# Altium PCB Pleiades_Frouf.PcbDoc (part 1 of 12) (continued)
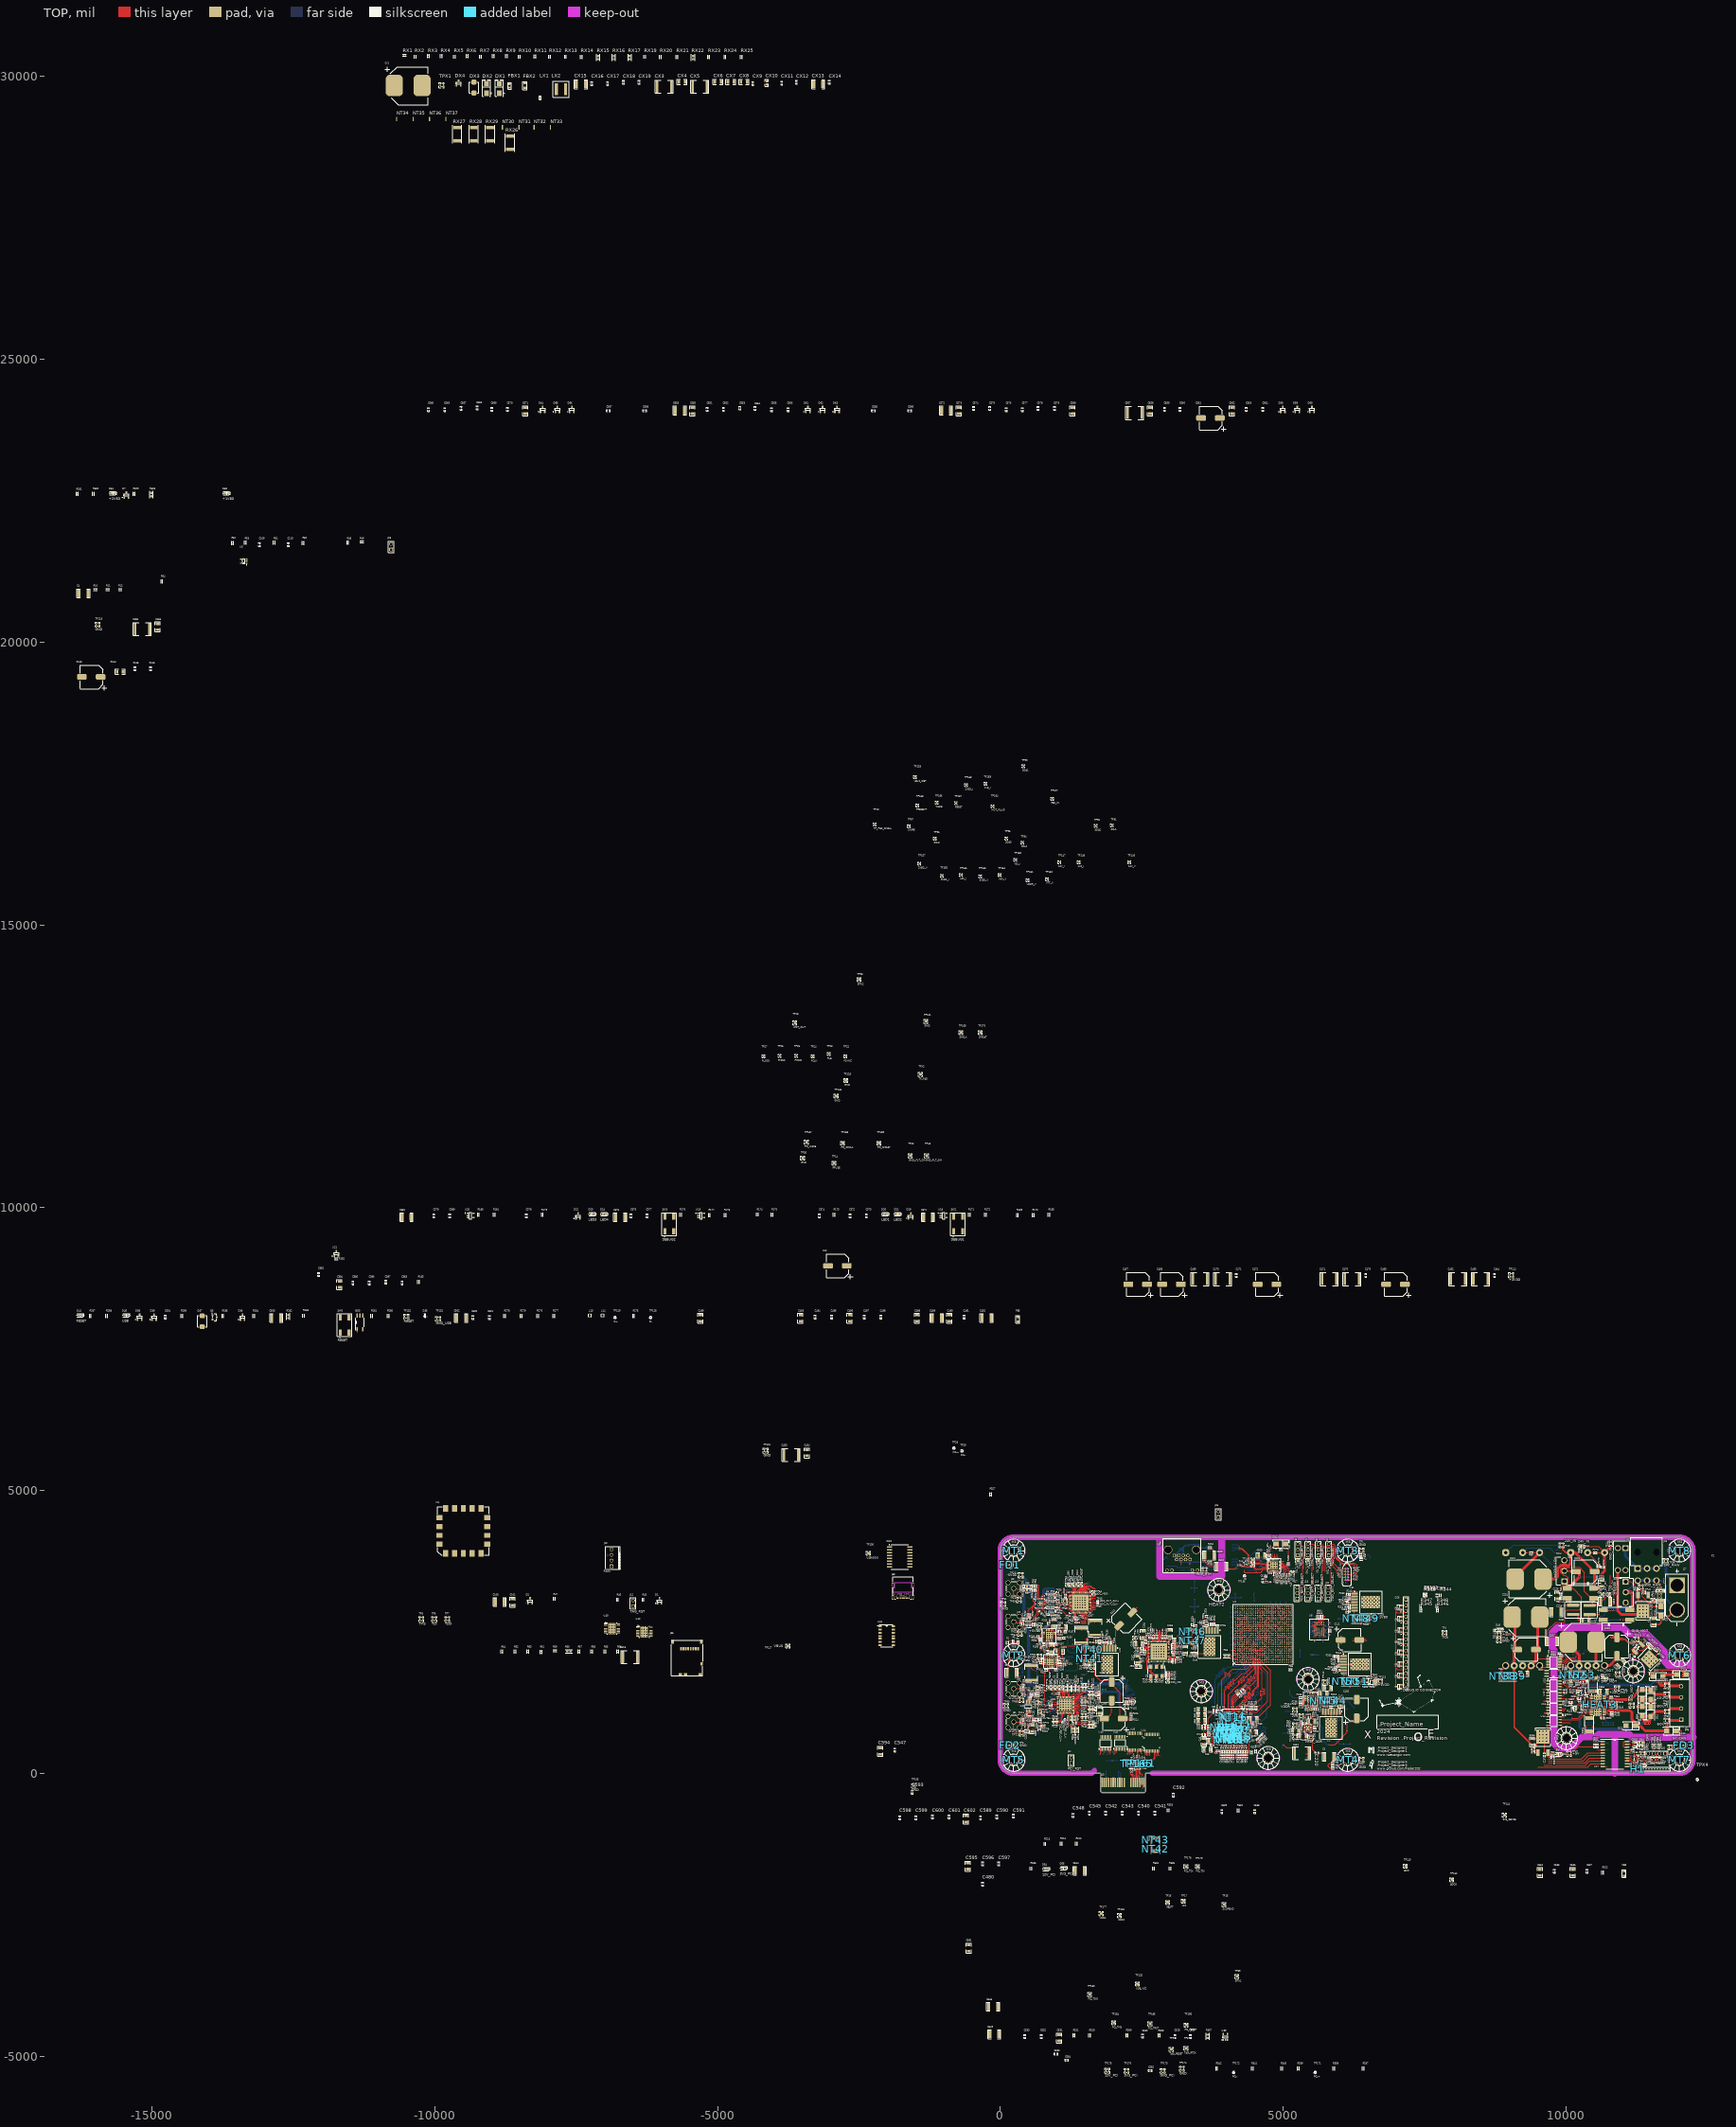
[diagram p0: TOP view]
## Classes and differential pairs
net class PROM_COMM: \CE \CEO \CF BUSY CLK CLKOUT OE/RESET PROM_D0 PROM_D1 PROM_D2 PROM_D3 PROM_D4 PROM_D5 PROM_D6 PROM_D7
net class +6V_SHUNT_KELVIN: +6V_SHUNT_17_+
net class +24V_MOT_SHUNT_KELVIN: +24V_MOT_SHUNT_22_+ +24V_MOT_SHUNT_22_-
net class +12V_SHUNT_KELVIN: +12V_SHUNT_17_+ +12V_SHUNT_17_-
net class +3V3D_SHUNT_KELVIN: +3V3D_SHUNT_17_+ +3V3D_SHUNT_17_-
net class +2V5D_SHUNT_KELVIN: +2V5D_SHUNT_17_+ +2V5D_SHUNT_17_-
net class +1V8D_SHUNT_KELVIN: +1V8D_SHUNT_17_+ +1V8D_SHUNT_17_-
net class +1V2D_SHUNT_KELVIN: +1V2D_SHUNT_17_+ +1V2D_SHUNT_17_-
net class DQL: DQ0 DQ1 DQ2 DQ3 DQ4 DQ5 DQ6 DQ7 LDQS_N LDQS_P
net class DQH: DQ8 DQ9 DQ10 DQ11 DQ12 DQ13 DQ14 DQ15 UDQS_N UDQS_P
component class USB: C488 C489 C490 C491 C492 C493 C494 C495 C496 C497 C498 C499 C500 C501 C502 C503 C504 D35 D36 D37 D38 D39 D40 D41 FB5 ISO2 ISO3 J38 L13 L14 M1 Q5 R275 R276 R277 R278 R279 R280 R281 R282 R283 R284 R285 R286 R287 R288 SW5 TP125 TP126 TP127 TP128 TP129 TP130 TP131 TP132 TP133
net class CAN: CAN_12_H CAN_12_L
net class ADC_DATA: CLK_ADC_OUT_N CLK_ADC_OUT_P DA0_N DA0_P DA2_N DA2_P DA4_N DA4_P DA6_N DA6_P DA8_N DA8_P DA10_N DA10_P DA12_N DA12_P DB0_N DB0_P DB2_N DB2_P DB4_N DB4_P DB6_N DB6_P DB8_N DB8_P DB10_N DB10_P DB12_N DB12_P
net class S50: COL_CONFIG0 CRS_CONFIG1 INTRP MDC MDIO RST_ETH_PHY RXC RXD0 RXD1 RXD2 RXD3 RXDV RXER SMA_IN1_10 SMA_IN2_10 SMA_OUT1_11 SMA_OUT2_11 TXC TXD0 TXD1 TXD2 TXD3 TXEN TXER
net class PCI: HSI0_N HSI0_P HSO0_N HSO0_P PCI_HSI0_16_N PCI_HSI0_16_P PCI_HSO0_16_N PCI_HSO0_16_P PCI_REFCLK_16_N PCI_REFCLK_16_P REFCLK_N REFCLK_P
net class MII: COL_CONFIG0 CRS_CONFIG1 INTRP MDC MDIO RST_ETH_PHY RXC RXD0 RXD1 RXD2 RXD3 RXDV RXER TXC TXD0 TXD1 TXD2 TXD3 TXEN TXER
net class IO[0..7]: IO0 IO1 IO2 IO3 IO4 IO5 IO6 IO7
component class PCI: C538 C539 C540 C541 C542 C543 C544 C545 C546 C547 C548 C549 C550 C551 C552 C553 C554 C555 C556 C557 C558 C559 C560 C561 C562 C563 C564 C565 C566 C567 C568 C569 C570 C571 C572 C573 C574 C575 C576 C577 C578 C579 C580 C581 C582 C583 C584 C585 C586 C587 C588 C589 C590 C591 C592 C593 C594 C595 C596 C597 C598 C599 C600 C601 C602 C603 D52 D53 D54 D55 D56 D57 D58 D59 D60 D61 D62 D63 D64 D65 D66 J40 R332 R333 R334 R335 R336 R337 R338 R339 R340 R341 R342 TP161 TP162 TP163 TP164 TP165 TP166 TP167 TP168 TP169 TP170 TP171 TP172 TP173 TP174 TP175 TP176 TP177 TP178 TP179 TP180 TP181 TP184 TP185 TP186 TP187 TP188 TP189 U43 U44 U45 U46 U47
component class Designator: CX1 CX2 CX3 CX4 CX5 CX6 CX7 CX8 CX9 CX10 CX11 CX12 CX13 CX14 CX15 CX16 CX17 CX18 CX19 DX1 DX2 DX3 DX4 FBX1 FBX2 LX1 LX2 NT30 NT31 NT32 NT33 NT34 NT35 NT36 NT37 RX1 RX2 RX3 RX4 RX5 RX6 RX7 RX8 RX9 RX10 RX11 RX12 RX13 RX14 RX15 RX16 RX17 RX18 RX19 RX20 RX21 RX22 RX23 RX24 RX25 RX26 RX27 RX28 RX29 TPX1 TPX2 TPX3 TPX4
net class USB: DD_14_+ DD_14_- UD_14_+ UD_14_-
net class SD_D[0..3]: SD_D0 SD_D1 SD_D2 SD_D3
net class PROM_D[0..7]: PROM_D0 PROM_D1 PROM_D2 PROM_D3 PROM_D4 PROM_D5 PROM_D6 PROM_D7
net class JTAG: \PCI_TRST PCI_TCK PCI_TDI PCI_TDO PCI_TMS TCK_USB TDI_USB TDO_USB TMS_USB
net class ETHERNET: RD_15_+ RD_15_- RX_15_+ RX_15_- TD_15_+ TD_15_- TX_15_+ TX_15_-
net class DQ[0..15]: DQ0 DQ1 DQ2 DQ3 DQ4 DQ5 DQ6 DQ7 DQ8 DQ9 DQ10 DQ11 DQ12 DQ13 DQ14 DQ15
net class DEBUG_LED_[1..4]: DEBUG_LED_1 DEBUG_LED_2 DEBUG_LED_3 DEBUG_LED_4
net class DDR_DATA: DQ0 DQ1 DQ2 DQ3 DQ4 DQ5 DQ6 DQ7 DQ8 DQ9 DQ10 DQ11 DQ12 DQ13 DQ14 DQ15 LDQS_N LDQS_P UDQS_N UDQS_P
net class DDR_CLK: CK_N CK_P LDQS_N LDQS_P UDQS_N UDQS_P
net class DDR_ADDR: A0 A1 A2 A3 A4 A5 A6 A7 A8 A9 A10 A11 A12 A13 A14 BA0 BA1 BA2
net class DAC_DIFF: D0_N D0_P D1_N D1_P D2_N D2_P D3_N D3_P D4_N D4_P D5_N D5_P D6_N D6_P D7_N D7_P DCI_N DCI_P FRAME_N FRAME_P
net class CLK: CLK_ADC_400MHZ_3_N CLK_ADC_400MHZ_3_P CLK_ADC_OUT_N CLK_ADC_OUT_P CLK_DAC_200MHZ_3_N CLK_DAC_200MHZ_3_P CLK_FPGA_100MHZ_N CLK_FPGA_100MHZ_P OSC_125MHZ_5_N OSC_125MHZ_5_P
net class BA[0..2]: BA0 BA1 BA2
net class ACC: \CAS \DDR_CS \DDR_RESET \RAS \WE A0 A1 A2 A3 A4 A5 A6 A7 A8 A9 A10 A11 A12 A13 A14 BA0 BA1 BA2 CK_N CK_P CKE LDM ODT UDM
net class A[0..14]: A0 A1 A2 A3 A4 A5 A6 A7 A8 A9 A10 A11 A12 A13 A14
component class "USER IOs": C371 C372 C373 C374 C375 C376 C377 C378 C379 C380 C381 C382 C383 C384 C385 C386 C387 D19 D20 D21 D22 D23 D24 D25 D26 D27 D28 D29 D30 D31 D32 J36 J37 R168 R169 R170 R171 R172 R173 R174 R175 R176 R177 R178 R179 R180 R181 R182 R183 R343 R344 R345 R346 R347 R348 SW2 SW3 TP89 TP90 TP91 TP92 TP93 TP94 TP95 TP96 TP97 U18 U19 U20 U21
component class Ethernet: C505 C506 C507 C508 C509 C510 C511 C512 C513 C514 C515 C516 C517 C518 C519 C520 C521 C522 C523 C524 C525 C526 C527 D42 D43 D44 FB6 FB7 J39 R289 R290 R291 R292 R293 R294 R295 R296 R297 R298 R299 R300 R301 R302 R303 R304 R305 R306 T1 TP134 TP135 TP136 TP137 TP138 TP139 TP140 TP141 U38 X1
component class "PROM FLASH": C201 C202 C203 C204 C205 C206 C207 C208 C209 C210 C211 C212 C213 C214 C215 C216 C217 C218 R76 R77 R78 R79 U5
component class "POWER INPUT": C219 C221 C222 C223 C224 C225 C226 C227 C228 C230 C231 C232 C233 C234 C235 C236 C237 D3 D4 D5 F1 F2 J26 J27 L1 L2 L3 L4 NT38 NT39 Q1 Q2 R80 R81 R82 R83 R84 R85 R86 R87 R88 R89 R90 SW1 TP36 TP37 TP38 TP39 TP40 TP41 TP42 TP43 TP44 TP45 TP46 TP47 U6 U7 WA1
component class POWER_SENSING: C528 C529 C530 C531 C532 C533 C534 C535 C536 C537 D45 D46 D47 D48 D49 D50 D51 FB8 Q6 Q7 R307 R308 R309 R310 R311 R312 R313 R314 R315 R316 R317 R318 R319 R320 R321 R322 R323 R324 R325 R326 R327 R328 R329 R330 R331 TP142 TP143 TP144 TP145 TP146 TP147 TP148 TP150 TP151 TP152 TP153 TP154 TP155 TP156 TP157 TP158 TP159 U39 U40 U41 U42
component class "MOTOR POWER": C477 C478 C479 C480 C481 C482 C483 C484 C485 C486 C487 D33 D34 NT52 NT53 R264 R265 R266 R267 R268 R269 R270 R271 R272 R273 R274 SW4 TP119 TP121 TP122 TP123 U33 U34 U35 U36 U37
component class "MOTOR CONTROL": C342 C343 C344 C345 C346 C347 C348 C349 C350 C351 C352 C353 C354 C355 C356 C357 C358 C359 C360 C361 C362 C363 C364 C365 C366 C367 C368 C369 C370 D10 D11 D12 D13 D14 D15 D16 D17 D18 FB3 FB4 H12 HEAT3 ISO1 J32 J33 J34 Q3 Q4 R149 R150 R151 R152 R153 R154 R155 R156 R157 R158 R159 R160 R161 R162 R163 R164 R165 R166 R167 TP79 TP80 TP81 TP82 TP83 TP85 TP86 TP87 TP88 U12 U13 U14 U15 U16 U17
component class MECHANICAL: C1 C2 C3 C4 FD1 FD2 FD3 FD4 FD5 FD6 H1 H2 H3 H4 H5 H6 H7 H9 H11 H13 H15 H17 MT1 MT2 MT3 MT4 MT5 MT6 MT7 MT8 R1 R2 R3 R4 R5 R6 R7 R8 R9 R10 R11 R12 TP1 TP2 TP3
component class "FPGA POWER": C457 C458 C459 C460 C462 C463 C464 C465 C466 C467 C468 C469 C470 C471 C472 C474 C475 C476 NT46 NT47 NT48 NT49 NT50 NT51 R239 R240 R241 R242 R243 R244 R245 R246 R247 R248 R249 R250 R251 R252 R253 R254 R255 R256 R257 r258 R259 R260 R261 R262 R263 TP113 TP114 TP115 TP118 U30 U31 U32
component class "FPGA Misc": C99 C100 C101 C102 C103 C104 C105 C106 C107 C108 C109 C110 C111 C112 C113 C114 C115 C116 C117 C118 C119 C120 C121 C122 C123 C124 C125 C126 C127 C128 C129 C130 C131 C132 C134 C135 C136 C138 C139 C140 C141 C142 C143 C144 C145 C146 C148 C149 D1 D2 H10 HEAT2 J1 J2 J6 J7 J8 J9 J10 J12 J17 J18 J19 J20 J22 J23 J25 R45 R46 R47 R48 R49 R50 R51 R52 R53 R54 TP4 TP5 TP6 TP7 TP8 TP9 TP10 TP11 TP12 TP13 TP14 TP15 TP16 TP17 TP18 U3
component class "FPGA IOs": C220 R55 R56 R57 R58 R59 R60 R61 R62 R63 R64 R65 R66 U2
component class DDR3: C5 C6 C7 C8 C9 C10 C11 C12 C13 C14 C15 C16 C17 C18 C19 C20 C21 C22 C23 C24 C25 C26 C27 C28 C29 C30 C31 C32 C33 C34 C35 C36 C37 C38 C39 C40 C41 C42 C43 C44 C45 C46 C47 C48 C49 C50 C51 C52 C53 C54 C55 C56 C57 C58 C59 C60 C61 C62 C63 C64 C65 C66 C67 C68 C69 C70 C71 C72 C73 C74 C75 C76 C77 C78 C79 C80 C81 C82 C83 C84 C85 C86 C87 C88 C89 C90 C91 C92 C93 C94 C95 C96 C97 C98 H8 HEAT1 NT1 NT2 NT3 NT4 NT5 NT6 NT7 NT8 NT9 NT10 NT11 NT12 NT13 NT14 NT15 NT16 NT17 NT18 NT19 NT20 NT21 NT22 NT23 NT24 NT25 NT26 NT27 NT28 NT29 R13 R14 R15 R16 R17 R18 R19 R20 R21 R22 R23 R24 R25 R26 R27 R28 R29 R30 R31 R32 R33 R34 R35 R36 R37 R38 R39 R40 R41 R42 R43 R44 U1
component class "DDR3 POWER": C428 C429 C430 C431 C432 C433 C434 C435 C436 C437 C438 C439 C440 C441 C442 C443 C444 C445 C446 C447 C448 C449 C450 C451 C452 C453 C454 C455 C456 NT44 NT45 R219 R220 R221 R222 R223 R224 R225 R226 R227 R228 R229 R230 R231 R232 R233 R234 R235 R236 R237 R238 TP106 TP107 TP108 TP109 TP110 TP111 TP112 U27 U28 U29
component class DAC: C294 C295 C296 C297 C298 C299 C300 C301 C302 C303 C304 C305 C306 C307 C308 C309 C310 C311 C312 C313 C314 C315 C316 C317 C318 C319 C320 C321 C322 C323 C324 C325 C326 C327 C328 C329 C330 C331 C332 C333 C334 C335 C336 C337 C338 C339 C340 C341 D8 D9 J30 J31 L9 L10 L11 L12 R111 R112 R113 R114 R115 R116 R117 R118 R119 R120 R121 R122 R123 R124 R125 R126 R127 R128 R129 R130 R131 R132 R133 R134 R135 R136 R137 R138 R139 R140 R141 R142 R143 R144 R145 R146 R147 R148 TP66 TP67 TP68 TP69 TP70 TP71 TP72 TP73 TP74 TP75 TP76 TP77 TP78 U10 U11
component class CLOCK: C151 C152 C153 C154 C155 C156 C157 C158 C159 C160 C161 C162 C163 C164 C165 C166 C167 C168 C169 C170 C171 C172 C173 C174 C175 C176 C177 C178 C179 C180 C181 C182 C183 C184 C185 C186 C187 C188 C189 C190 C191 C192 C193 C194 C195 C196 C197 C198 C199 C200 FB1 FB2 R67 R68 R69 R70 R71 R72 R73 R74 R75 TP19 TP20 TP21 TP22 TP23 TP24 TP25 TP26 TP27 TP28 TP29 TP34 TP35 U4 Y1
component class "ANALOG POWER": C388 C389 C390 C391 C392 C393 C394 C395 C396 C397 C398 C399 C400 C401 C402 C403 C404 C405 C406 C407 C408 C409 C410 C411 C412 C413 C414 C415 C416 C417 C418 C419 C421 C422 C423 C424 C425 C426 C427 NT40 NT41 NT42 NT43 R184 R185 R186 R187 R188 R189 R190 R191 R192 R193 R194 R195 R196 R197 R198 R199 R200 R201 R202 R203 R204 R205 R206 R207 R208 R209 R210 R211 R212 R213 R214 R215 R216 R217 R218 TP98 TP99 TP100 TP101 TP102 TP103 TP104 TP105 U22 U23 U24 U25 U26
component class ADC: C238 C239 C240 C241 C242 C243 C244 C245 C246 C247 C248 C249 C250 C251 C252 C253 C254 C255 C256 C257 C258 C259 C260 C261 C262 C263 C264 C265 C266 C267 C268 C269 C270 C271 C272 C273 C274 C275 C276 C277 C278 C279 C280 C281 C282 C283 C284 C285 C286 C287 C288 C289 C290 C291 C292 C293 D6 D7 J28 J29 L5 L6 L7 L8 R91 R92 R93 R94 R95 R96 R97 R98 R99 R100 R101 R102 R103 R104 R105 R106 R107 R108 R109 R110 TP48 TP49 TP50 TP51 TP52 TP53 TP54 TP55 TP56 TP57 TP58 TP59 TP60 TP61 TP62 TP63 TP64 TP65 U8 U9
differential pair +24V_MOT_SHUNT_22: ++24V_MOT_SHUNT_22_+ -+24V_MOT_SHUNT_22_-
differential pair +12V_SHUNT_17: ++12V_SHUNT_17_+ -+12V_SHUNT_17_-
differential pair +3V3D_SHUNT_17: ++3V3D_SHUNT_17_+ -+3V3D_SHUNT_17_-
differential pair +2V5D_SHUNT_17: ++2V5D_SHUNT_17_+ -+2V5D_SHUNT_17_-
differential pair +1V8D_SHUNT_17: ++1V8D_SHUNT_17_+ -+1V8D_SHUNT_17_-
differential pair +1V2D_SHUNT_17: ++1V2D_SHUNT_17_+ -+1V2D_SHUNT_17_-
differential pair REF_CLK: +REF_CLK_P -REF_CLK_N
differential pair CK_TERM_6: +CK_TERM_6_P -CK_TERM_6_N
differential pair DB12: +DB12_P -DB12_N
differential pair DB10: +DB10_P -DB10_N
differential pair DB8: +DB8_P -DB8_N
differential pair DB6: +DB6_P -DB6_N
differential pair DB4: +DB4_P -DB4_N
differential pair DB2: +DB2_P -DB2_N
differential pair DB0: +DB0_P -DB0_N
differential pair DA12: +DA12_P -DA12_N
differential pair DA10: +DA10_P -DA10_N
differential pair DA8: +DA8_P -DA8_N
differential pair DA6: +DA6_P -DA6_N
differential pair DA4: +DA4_P -DA4_N
differential pair DA2: +DA2_P -DA2_N
differential pair DA0: +DA0_P -DA0_N
differential pair CAN_12: +CAN_12_H -CAN_12_L
differential pair REFCLK: +REFCLK_P -REFCLK_N
differential pair PCI_REFCLK_16: +PCI_REFCLK_16_P -PCI_REFCLK_16_N
differential pair PCI_HSO0_16: +PCI_HSO0_16_P -PCI_HSO0_16_N
differential pair PCI_HSI0_16: +PCI_HSI0_16_P -PCI_HSI0_16_N
differential pair HSO0: +HSO0_P -HSO0_N
differential pair HSI0: +HSI0_P -HSI0_N
differential pair UDQS: +UDQS_P -UDQS_N
differential pair UD_14: +UD_14_+ -UD_14_-
differential pair TX_15: +TX_15_+ -TX_15_-
differential pair TD_15: +TD_15_+ -TD_15_-
differential pair RX_15: +RX_15_+ -RX_15_-
differential pair RD_15: +RD_15_+ -RD_15_-
differential pair OSC_125MHZ_5: +OSC_125MHZ_5_P -OSC_125MHZ_5_N
differential pair LDQS: +LDQS_P -LDQS_N
differential pair FRAME: +FRAME_P -FRAME_N
differential pair DD_14: +DD_14_+ -DD_14_-
differential pair DCI: +DCI_P -DCI_N
differential pair D7: +D7_P -D7_N
differential pair D6: +D6_P -D6_N
differential pair D5: +D5_P -D5_N
differential pair D4: +D4_P -D4_N
differential pair D3: +D3_P -D3_N
differential pair D2: +D2_P -D2_N
differential pair D1: +D1_P -D1_N
differential pair D0: +D0_P -D0_N
differential pair CLK_FPGA_100MHZ: +CLK_FPGA_100MHZ_P -CLK_FPGA_100MHZ_N
differential pair CLK_DAC_200MHZ_3: +CLK_DAC_200MHZ_3_P -CLK_DAC_200MHZ_3_N
differential pair CLK_ADC_OUT: +CLK_ADC_OUT_P -CLK_ADC_OUT_N
differential pair CLK_ADC_400MHZ_3: +CLK_ADC_400MHZ_3_P -CLK_ADC_400MHZ_3_N
differential pair CK: +CK_P -CK_N

## Components (designator, comment, footprint, x,y, rotation, side; value= is the part's Value field where it differs from the comment)
C1 "1nF" CAP_1812 203.22,1778.74 r0 top
C2 "1nF" CAP_1812 6460.69,3801.56 r0 bottom
C3 "1nF" CAP_1812 5815.42,295 r180 top
C4 "1nF" CAP_1812 -16210.34,20864.87 r0 top
C5 "470nF" CAP_0402 3676.75,510.94 r0 bottom
C6 "47nF" CAP_0402 3879.19,1080.49 r270 bottom
C7 "47nF" CAP_0402 4319.89,825.69 r270 top
C8 "47nF" CAP_0402 3902.62,1095.26 r270 top
C9 "47nF" CAP_0402 3898.8,942.96 r90 top
C10 "470nF" CAP_0402 4290.52,1043.87 r45 bottom
C11 "1uF" CAP_1206 3743.47,573.27 r180 top
C12 "470nF" CAP_0402 3669.95,623.62 r0 bottom
C13 "47nF" CAP_0402 3920.04,1080.49 r270 bottom
C14 "47nF" CAP_0402 3898.8,1019.88 r270 top
C15 "47nF" CAP_0402 4360.3,971.14 r270 top
C16 "47nF" CAP_0402 4316.29,971.14 r270 top
C17 "470nF" CAP_0402 4539.73,768.57 r180 bottom
C18 "1uF" CAP_1206 4467.32,723.68 r0 top
C19 "470nF" CAP_0402 4528.08,1157.05 r270 top
C20 "47nF" CAP_0402 4246.56,1208.42 r0 bottom
C21 "47nF" CAP_0402 4356.03,644.35 r270 top
C22 "47nF" CAP_0402 4220.01,1047.67 r0 bottom
C23 "47nF" CAP_0402 3947.74,840.4 r180 bottom
C24 "470nF" CAP_0402 4486.68,1160.72 r270 top
C25 "1uF" CAP_1206 3561.55,1119.27 r180 top
C26 "470nF" CAP_0402 4447.05,1159.82 r270 top
C27 "47nF" CAP_0402 3888.74,884.99 r0 top
C28 "47nF" CAP_0402 4316.11,890 r90 bottom
C29 "47nF" CAP_0402 3899.6,644.35 r270 top
C30 "47nF" CAP_0402 4000.12,920.46 r0 bottom
C31 "470nF" CAP_0402 3796.47,1119.27 r180 top
C32 "1uF" CAP_1206 3561.55,1020.56 r180 top
C33 "470nF" CAP_0402 4645.21,673.51 r315 top
C34 "47nF" CAP_0402 4019.55,795.8 r0 bottom
C35 "47nF" CAP_0402 4090,902.34 r270 bottom
C36 "47nF" CAP_0402 4319.93,749.49 r90 top
C37 "47nF" CAP_0402 4241.4,617.01 r270 bottom
C38 "470nF" CAP_0402 4585.41,613.73 r315 top
C39 "470nF" CAP_0402 4615.48,646.99 r315 top
C40 "47nF" CAP_0402 3852.6,1095.79 r270 top
C41 "47nF" CAP_0402 3855.24,644.35 r270 top
C42 "47nF" CAP_0402 4294.33,1173.25 r0 top
C43 "47nF" CAP_0402 4105,824.52 r90 bottom
C44 "470nF" CAP_0402 4554.86,581.55 r315 top
C45 "1uF" CAP_1206 3658.6,419.59 r180 top
C46 "1uF" CAP_1206 3601.93,563.27 r270 top
C47 "470nF" CAP_0402 3857.96,975.03 r90 bottom
C48 "47nF" CAP_0402 4360.98,890 r90 bottom
C49 "47nF" CAP_0402 4301.62,634.51 r270 bottom
C50 "47nF" CAP_0402 3983.33,668.04 r90 bottom
C51 "47nF" CAP_0402 4220.01,1090.45 r0 bottom
C52 "470nF" CAP_0402 3751.58,505 r180 top
C53 "470nF" CAP_0402 3669.95,563.74 r0 bottom
C54 "47nF" CAP_0402 3902.42,736.3 r90 top
C55 "47nF" CAP_0402 3857.31,736.3 r90 top
C56 "47nF" CAP_0402 4334.62,1130.47 r0 top
C57 "47nF" CAP_0402 3924.53,740.95 r90 bottom
C58 "470nF" CAP_0402 4406.44,1160.12 r270 top
C59 "1uF" CAP_1206 4475.08,959.51 r0 top
C60 "1uF" CAP_1206 3561.8,919.01 r180 top
C61 "470nF" CAP_0402 3855.14,558.5 r90 bottom
C62 "47nF" CAP_0402 4129.6,902.65 r270 bottom
C63 "47nF" CAP_0402 4246.56,1162.31 r0 bottom
C64 "47nF" CAP_0402 4315.35,644.35 r270 top
C65 "47nF" CAP_0402 3898.96,644.11 r270 bottom
C66 "470nF" CAP_0402 3855.24,644.35 r270 bottom
C67 "47nF" CAP_0402 4423.94,808.19 r180 top
C68 "47nF" CAP_0402 4508.75,860.55 r0 top
C69 "47nF" CAP_0402 3595,795.26 r180 top
C70 "47nF" CAP_0402 4233.42,296.34 r270 top
C71 "47nF" CAP_0402 4268.42,1473.1 r45 top
C72 "47nF" CAP_0402 3595,840.4 r180 top
C73 "47nF" CAP_0402 4118.91,296.34 r270 top
C74 "47nF" CAP_0402 3595,686.55 r180 top
C75 "47nF" CAP_0402 4195.19,296.34 r270 top
C76 "47nF" CAP_0402 4636.1,727.95 r0 bottom
C77 "47nF" CAP_0402 3619.43,771.15 r180 bottom
C78 "47nF" CAP_0402 3619.43,689.49 r180 bottom
C79 "47nF" CAP_0402 4033.2,297.13 r270 bottom
C80 "47nF" CAP_0402 4398.14,593.66 r90 top
C81 "47nF" CAP_0402 4357.77,296.34 r270 top
C82 "47nF" CAP_0402 4295.36,1443.72 r45 top
C83 "47nF" CAP_0402 3947.74,296.34 r270 top
C84 "47nF" CAP_0402 3904.72,296.34 r270 top
C85 "47nF" CAP_0402 3990.24,297.13 r270 bottom
C86 "47nF" CAP_0402 4275.28,296.34 r270 top
C87 "47nF" CAP_0402 3790.01,644.35 r0 top
C88 "47nF" CAP_0402 3792.6,1077.12 r0 top
C89 "47nF" CAP_0402 3721.65,732.15 r0 bottom
C90 "47nF" CAP_0402 4415.85,654.05 r180 top
C91 "47nF" CAP_0402 4453.78,673.51 r0 bottom
C92 "47nF" CAP_0402 4317.82,296.34 r270 top
C93 "47nF" CAP_0402 4690.1,814.8 r0 bottom
C94 "47nF" CAP_0402 3990.67,296.34 r270 top
C95 "47nF" CAP_0402 4074.54,296.34 r270 top
C96 "47nF" CAP_0402 4697,747.02 r270 bottom
C97 "47nF" CAP_0402 4033.31,296.34 r270 top
C98 "47nF" CAP_0402 4453.78,631.62 r0 bottom
C99 "100nF" CAP_0402 7725,3142.5 r90 top
C100 "4.7nF" CAP_1812 -8849.47,3028.63 r0 top
C101 "10uF" CAP_1206 -8625.06,3024.69 r90 top
C102 "MAL215099101E3" CAP_ALU_1010_vishay 6061.73,3063.22 r270 bottom value=100uF
C103 "4.7uF" CAP_1206 4766.52,2259.1 r315 bottom
C104 "4.7uF" CAP_1206 4946.58,2306.26 r45 bottom
C105 "470nF" CAP_0402 4796.35,2403.66 r270 bottom
C106 "470nF" CAP_0402 4504.85,2574.2 r270 bottom
C107 "470nF" CAP_0402 4842.85,2322.74 r90 bottom
C108 "470nF" CAP_0402 4690,2588.08 r180 bottom
C109 "470nF" CAP_0402 -13095.05,21724.57 r90 top
C110 "470nF" CAP_0402 -12587.18,21724.57 r90 top
C111 "MAL215099101E3" CAP_ALU_1010_vishay 6347.29,2355.26 r180 top value=100uF
C112 "MAL215099101E3" CAP_ALU_1010_vishay 5302.28,2097.23 r0 bottom value=100uF
C113 "4.7uF" CAP_1206 4062.84,2530 r90 bottom
C114 "4.7uF" CAP_1206 4065,2333.16 r270 bottom
C115 "4.7uF" CAP_1206 4933.28,2038.58 r225 bottom
C116 "470nF" CAP_0402 4403.1,2367.35 r45 bottom
C117 "470nF" CAP_0402 4638.02,2916.17 r0 bottom
C118 "470nF" CAP_0402 4964.33,2912.36 r0 bottom
C119 "470nF" CAP_0402 4616.17,2346.72 r45 bottom
C120 "470nF" CAP_0402 4193.9,2386.16 r0 bottom
C121 "470nF" CAP_0402 4850,2766.71 r315 bottom
C122 "MAL215099101E3" CAP_ALU_1010_vishay 3750.94,2840.84 r270 bottom value=100uF
C123 "4.7uF" CAP_1206 4825.22,3040 r180 bottom
C124 "470nF" CAP_0402 4444.79,2759.95 r90 bottom
C125 "470nF" CAP_0402 5102.36,2240.16 r225 bottom
C126 "470nF" CAP_0402 4215.84,2772.09 r225 bottom
C127 "MAL215099101E3" CAP_ALU_1010_vishay 4156.19,3107.85 r0 bottom value=100uF
C128 "4.7uF" CAP_1206 4061.6,2712.6 r90 bottom
C129 "470nF" CAP_0402 4305.99,2464.97 r45 bottom
C130 "470nF" CAP_0402 4404.06,2683.63 r90 bottom
C131 "470nF" CAP_0402 4335.25,2807.91 r315 bottom
C132 "100nF" CAP_0402 7500,3142.5 r90 top
C134 "4.7uF" CAP_1206 5010.55,3040 r180 bottom
C135 "470nF" CAP_0402 4249.55,2579.84 r135 bottom
C136 "470nF" CAP_0402 4807.72,2900.17 r0 bottom
C138 "MAL215099101E3" CAP_ALU_1010_vishay 3435,3286.88 r270 bottom value=100uF
C139 "4.7uF" CAP_1206 4432.44,2457.09 r135 bottom
C140 "470nF" CAP_0402 4639.98,2252.23 r45 bottom
C141 "470nF" CAP_0402 4714.37,2089.26 r45 bottom
C142 "470nF" CAP_0402 4733.81,2157.28 r315 bottom
C143 "MAL215099101E3" CAP_ALU_1010_vishay -16237.9,19384.56 r0 top value=100uF
C144 "4.7uF" CAP_1206 -15564.67,19475.11 r0 top
C145 "470nF" CAP_0402 -15300.9,19530.23 r90 top
C146 "470nF" CAP_0402 -15021.37,19530.23 r90 top
C148 "4.7uF" CAP_1206 4061.58,2896.68 r90 bottom
C149 "470nF" CAP_0402 4968.76,2185.36 r135 bottom
C151 "DNF" CAP_0402 2560,2151.73 r270 top
C152 "DNF" CAP_0402 2505,2130 r0 top
C153 "1uF" CAP_1206 2681.02,1825.36 r0 bottom
C154 "100nF" CAP_0402 2628.02,1896.38 r0 bottom
C155 "10uF" CAP_1206 2912,1796 r0 bottom
C156 "100nF" CAP_0402 2962.99,1780 r0 top
C157 "1nF" CAP_0402 2963.99,1740 r0 top
C158 "330pF" CAP_0402 2962.99,1697.68 r0 top
C159 "10uF" CAP_1206 2450.8,2278.49 r180 top
C160 "10uF" CAP_1206 3012,2075.63 r180 bottom
C161 "1uF" CAP_1206 2727.57,1970.18 r90 bottom
C162 "10uF" CAP_1206 2420.8,2013.37 r90 top
C163 "1uF" CAP_1206 2999.32,2475 r90 top
C164 "100nF" CAP_0402 3065,2142.24 r0 bottom
C165 "100nF" CAP_0402 2827.6,2388.09 r90 bottom
C166 "1nF" CAP_0402 2869.6,2415.09 r90 top
C167 "1nF" CAP_0402 2771.65,2415.09 r90 top
C168 "1nF" CAP_0402 2712.6,2415.09 r90 top
C169 "470pF" CAP_0402 2929.08,2415.09 r90 top
C170 "470pF" CAP_0402 3065,2141.89 r0 top
C171 "470pF" CAP_0402 3065.7,2201.09 r0 top
C172 "68pF" CAP_0402 2830.71,2311.69 r270 bottom
C173 "68pF" CAP_0402 2962.6,2201.09 r180 bottom
C174 "68pF" CAP_0402 2962.6,2141.89 r180 bottom
C175 "68pF" CAP_0402 2909.45,2311.69 r270 bottom
C176 "68pF" CAP_0402 2771.65,2311.69 r270 bottom
C177 "68pF" CAP_0402 2714.57,2311.69 r270 bottom
C178 "68pF" CAP_0402 2658.53,2324.09 r0 bottom
C179 "68pF" CAP_0402 2870.08,2311.69 r270 bottom
C180 "10uF" CAP_1206 2559.62,2418.54 r90 bottom
C181 "1uF" CAP_1206 3265,2181.26 r90 top
C182 "100nF" CAP_0402 2487.09,2000.18 r90 top
C183 "10uF" CAP_1206 3140,2347.67 r0 top
C184 "1uF" CAP_1206 2520.44,2458.04 r90 top
C185 "100nF" CAP_0402 2973.17,2320.04 r180 bottom
C186 "100nF" CAP_0402 3073.2,1968.37 r0 top
C187 "1nF" CAP_0402 2576,2330.17 r90 top
C188 "1nF" CAP_0402 2557.7,2139.7 r270 bottom
C189 "1nF" CAP_0402 2506.14,2209.17 r180 top
C190 "470pF" CAP_0402 3073.6,2007.18 r0 top
C191 "470pF" CAP_0402 3065,2279.69 r0 top
C192 "470pF" CAP_0402 3065,2240.97 r0 top
C193 "68pF" CAP_0402 2635.54,2075.63 r0 bottom
C194 "68pF" CAP_0402 2642.5,2260 r0 bottom
C195 "68pF" CAP_0402 2636.04,2220.63 r0 bottom
C196 "68pF" CAP_0402 2641.03,2182.13 r0 bottom
C197 "22pF" CAP_0402 2636.04,2122.2 r0 bottom
C198 "22pF" CAP_0402 2636.04,2026.02 r0 bottom
C199 "22pF" CAP_0402 2957.3,2007.18 r180 bottom
C200 "22pF" CAP_0402 2966.32,2279.69 r180 bottom
C201 "1uF" CAP_1206 5504.23,2755.98 r90 bottom
C202 "100nF" CAP_0402 5489.8,2476.99 r270 bottom
C203 "100nF" CAP_0402 5489.8,2625.66 r270 bottom
C204 "100nF" CAP_0402 5489.8,2554.13 r90 bottom
C205 "100nF" CAP_0402 5705.2,2739.37 r0 bottom
C206 "100nF" CAP_0402 5669.5,2354 r0 bottom
C207 "1nF" CAP_0402 5526.41,2476.99 r270 bottom
C208 "1nF" CAP_0402 5705,2693.33 r0 bottom
C209 "1nF" CAP_0402 5672,2397.64 r0 bottom
C210 "1nF" CAP_0402 5526.41,2554.13 r90 bottom
C211 "1nF" CAP_0402 5526.41,2625.66 r270 bottom
C212 "1uF" CAP_1206 5855,2580 r90 bottom
C213 "100nF" CAP_0402 5613.01,2702.98 r90 bottom
C214 "100nF" CAP_0402 5785,2575.63 r90 bottom
C215 "100nF" CAP_0402 5785,2456.7 r270 bottom
C216 "1nF" CAP_0402 5571.96,2702.98 r90 bottom
C217 "1nF" CAP_0402 5745,2575.63 r90 bottom
C218 "1nF" CAP_0402 5745,2456.7 r270 bottom
C219 "1nF" CAP_1812 10696.4,3040.04 r0 top
C220 "100nF" CAP_0402 5598.14,360.04 r0 top
C221 "MAL214699108E3" CAP_ALU_1616_vishay 9102.87,3433.8 r0 top value=470uF
C222 "MAL215099101E3" CAP_ALU_1010_vishay 10177.42,3564.7 r0 top value=100uF
C223 "10uF" CAP_1206 10630.08,3356.33 r90 top
C224 "100nF" CAP_0402 10650.38,3647.5 r0 top
C225 "2.2uF" CAP_1206 10345.25,2695.09 r180 top
C226 "2.2uF" CAP_1206 9849.68,3142.24 r270 top
C227 "1nF" CAP_1812 11675,3140 r90 top
C228 "1nF" CAP_1812 9830,2850 r0 top
C230 "10uF" CAP_1206 11550.51,2680 r270 top
C231 "MAL214699108E3" CAP_ALU_1616_vishay 9540.87,2760 r180 top value=470uF
C232 "MAL215099101E3" CAP_ALU_1010_vishay 9470,2187.86 r180 top value=100uF
C233 "10uF" CAP_1206 9260,1765 r0 top
C234 "10uF" CAP_1206 9405,555.57 r90 top
C235 "100nF" CAP_0402 9440,420 r90 top
C236 "100nF" CAP_0402 9765,284.98 r0 top
C237 "100nF" CAP_0402 9625,330 r90 top
C238 "100nF" CAP_0402 1083.2,2994.97 r0 bottom
C239 "100nF" CAP_0402 1100.7,2956.85 r0 bottom
C240 "470pF" CAP_0402 1152.98,3136.15 r90 top
C241 "330pF" CAP_0402 968.98,3153.24 r270 top
C242 "330pF" CAP_0402 968.98,3075.7 r270 top
C243 "10uF" CAP_1206 929,2777.17 r90 bottom
C244 "100nF" CAP_0402 595.52,2878.52 r270 bottom
C245 "100nF" CAP_0402 812.24,2878.52 r90 bottom
C246 "47nF" CAP_0402 582.32,3065.26 r0 bottom
C247 "47nF" CAP_0402 574.79,2943.68 r0 bottom
C248 "1nF" CAP_0402 623.83,3023.44 r0 bottom
C249 "1nF" CAP_0402 623.83,2980.13 r0 bottom
C250 "10uF" CAP_1206 880,3195 r180 bottom
C251 "100nF" CAP_0402 829.74,3121.01 r180 bottom
C252 "100nF" CAP_0402 599.82,3128.9 r270 bottom
C253 "47nF" CAP_0402 825,3078.46 r180 bottom
C254 "47nF" CAP_0402 829.74,2939.37 r180 bottom
C255 "1nF" CAP_0402 724.68,3078.46 r270 bottom
C256 "1nF" CAP_0402 681.38,3078.46 r270 bottom
C257 "330pF" CAP_0402 979.31,2912.06 r270 top
C258 "330pF" CAP_0402 979.31,2827.19 r270 top
C259 "10uF" CAP_1206 526.49,2783.05 r0 bottom
C260 "100nF" CAP_0402 852.5,2831.96 r90 bottom
C261 "100nF" CAP_0402 531.29,2900.18 r180 bottom
C262 "47nF" CAP_0402 637.02,2913.18 r90 bottom
C263 "47nF" CAP_0402 770.54,2921.08 r90 bottom
C264 "1nF" CAP_0402 732.56,2926.18 r90 bottom
C265 "1nF" CAP_0402 678.6,2926.18 r90 bottom
C266 "10uF" CAP_1206 485.6,3178.05 r270 bottom
C267 "100nF" CAP_0402 556.67,3127.01 r270 bottom
C268 "100nF" CAP_0402 870,2896.02 r180 bottom
C269 "47nF" CAP_0402 766.24,3095.96 r270 bottom
C270 "47nF" CAP_0402 641.24,3095.96 r270 bottom
C271 "1nF" CAP_0402 782.5,2980.13 r180 bottom
C272 "1nF" CAP_0402 783.74,3031.31 r180 bottom
C273 "22uF" CAP_2220 1450.6,3390 r180 bottom
C274 "1uF" CAP_1206 1373.6,3183.74 r180 bottom
C275 "1uF" CAP_1206 1665,3090.84 r90 bottom
C276 "1uF" CAP_1206 1468.35,2818.96 r90 bottom
C277 "470pF" CAP_0402 1385,2868.72 r90 bottom
C278 "470pF" CAP_0402 1569.86,3006.92 r180 bottom
C279 "470pF" CAP_0402 1491.7,3170.74 r270 bottom
C280 "470pF" CAP_0402 1605,2799.33 r0 bottom
C281 "68pF" CAP_0402 1534.04,3171.5 r270 bottom
C282 "68pF" CAP_0402 1569.86,3046.29 r180 bottom
C283 "68pF" CAP_0402 1345,2868.72 r90 bottom
C284 "68pF" CAP_0402 1605,2840.19 r0 bottom
C285 "22uF" CAP_2220 1175.4,2534.28 r180 bottom
C286 "1uF" CAP_1206 1245.94,2702.01 r180 bottom
C287 "1uF" CAP_1206 1192.94,3392.72 r180 bottom
C288 "470nF" CAP_0402 1227.6,2786.05 r180 bottom
C289 "470nF" CAP_0402 1216.12,3303.18 r180 bottom
C290 "470pF" CAP_0402 1232.1,2860 r90 bottom
C291 "470pF" CAP_0402 1214.6,3236.09 r180 bottom
C292 "68pF" CAP_0402 1214.6,3192 r180 bottom
C293 "68pF" CAP_0402 1274.34,2861.92 r90 bottom
C294 "330pF" CAP_0402 605.51,1396.06 r90 top
C295 "330pF" CAP_0402 641.73,948.84 r270 top
C296 "1nF" CAP_0402 1575.15,1267.33 r0 top
C297 "1nF" CAP_0402 1687.83,1139.29 r90 top
C298 "1nF" CAP_0402 1679.43,860.06 r90 top
C299 "1nF" CAP_0402 1580.49,1526.78 r0 top
C300 "1nF" CAP_0402 1324.27,658.03 r270 top
C301 "1nF" CAP_0402 1579.8,1002.34 r0 top
C302 "1nF" CAP_0402 1338.85,1596.06 r90 top
C303 "100nF" CAP_0402 888.31,1219.56 r180 top
C304 "1nF" CAP_0402 1313.02,885 r180 top
C305 "1nF" CAP_0402 1695.43,1398.13 r90 top
C306 "1nF" CAP_0402 1192.6,1598.57 r90 top
C307 "10uF" CAP_1206 619.11,1233.86 r90 bottom
C308 "100nF" CAP_0402 588.01,1119.58 r0 bottom
C309 "47nF" CAP_0402 544.14,1180.88 r90 bottom
C310 "1nF" CAP_0402 588.01,1063.56 r0 bottom
C311 "1uF" CAP_1206 847.33,1182.87 r180 bottom
C312 "100nF" CAP_0402 864.83,1303.14 r180 bottom
C313 "100nF" CAP_0402 904.02,1257.82 r180 bottom
C314 "47nF" CAP_0402 904.02,1107.13 r180 bottom
C315 "47nF" CAP_0402 920,1328.84 r90 bottom
C316 "47nF" CAP_0402 999.89,1051.41 r270 bottom
C317 "47nF" CAP_0402 921.52,1051.41 r270 bottom
C318 "1nF" CAP_0402 960,1089.08 r270 bottom
C319 "1nF" CAP_0402 960,1237.72 r270 bottom
C320 "1nF" CAP_0402 960,1165.37 r90 bottom
C321 "1nF" CAP_0402 960,1328.84 r90 bottom
C322 "330pF" CAP_0402 1033.66,1145 r0 bottom
C323 "330pF" CAP_0402 1035,1308.1 r0 bottom
C324 "330pF" CAP_0402 1035.85,1257.4 r0 bottom
C325 "330pF" CAP_0402 1032.89,1105.66 r0 bottom
C326 "1uF" CAP_1206 1250.73,870 r0 bottom
C327 "100nF" CAP_0402 1224.06,1088.88 r90 bottom
C328 "1nF" CAP_0402 1112.5,1379.1 r270 bottom
C329 "1nF" CAP_0402 1224.06,1328.84 r270 bottom
C330 "1nF" CAP_0402 1168.69,941.45 r180 bottom
C331 "1nF" CAP_0402 1077.41,967.66 r270 bottom
C332 "1nF" CAP_0402 1168.69,982.09 r180 bottom
C333 "330pF" CAP_0402 1175,1328.84 r270 bottom
C334 "330pF" CAP_0402 1039.13,1005.51 r270 bottom
C335 "330pF" CAP_0402 1055.13,1396.06 r180 bottom
C336 "330pF" CAP_0402 1168.6,1022.31 r180 bottom
C337 "330pF" CAP_0402 1095,1022.31 r0 bottom
C338 "10uF" CAP_1206 324.87,1190 r180 bottom
C339 "100nF" CAP_0402 429.41,1106.58 r270 bottom
C340 "47nF" CAP_0402 459.91,1164.88 r0 bottom
C341 "1nF" CAP_0402 459.91,1205 r0 bottom
C342 "100nF" CAP_0402 9980.71,1450.6 r90 top
C343 "100nF" CAP_0402 10305.18,1206.71 r180 top
C344 "100nF" CAP_0402 9969.69,1034.55 r180 top
C345 "220nF" CAP_0603 10796.5,1215 r0 bottom
C346 "220nF" CAP_0603 10848.18,1244.8 r180 top
C347 "100nF" CAP_0402 9973.55,1632.06 r90 top
C348 "220nF" CAP_0603 10849.24,1174.03 r0 top
C349 "100nF" CAP_0402 9966.19,1245 r90 top
C350 "1nF" CAP_0402 10081.42,1260.02 r180 top
C351 "1nF" CAP_0402 10235,1330.81 r180 top
C352 "1nF" CAP_0402 10165.99,1238.71 r0 bottom
C353 "MAL215099101E3" CAP_ALU_1010_vishay 10415,875 r0 bottom value=100uF
C354 "MAL215099101E3" CAP_ALU_1010_vishay 10431.19,1462.98 r0 bottom value=100uF
C355 "10uF" CAP_1206 10663.92,1445.97 r180 top
C356 "100nF" CAP_0402 10650.92,977.55 r180 top
C357 "100nF" CAP_0402 10650.92,1376.09 r180 bottom
C358 "1uF" CAP_1206 10226.18,1141.01 r180 top
C359 "100nF" CAP_0402 10479.28,1179.06 r0 bottom
C360 "100nF" CAP_0402 10479.53,1136.91 r0 bottom
C361 "100nF" CAP_0402 11182.92,333.06 r270 bottom
C362 "1nF" CAP_0402 11112.92,333.81 r270 bottom
C363 "1nF" CAP_0402 11069.92,333.8 r270 bottom
C364 "220nF" CAP_0603 11220.52,510.63 r90 top
C365 "10uF" CAP_1206 11084.92,531.86 r90 bottom
C366 "10uF" CAP_1206 10750,469.04 r90 bottom
C367 "100nF" CAP_0402 10512.73,487.63 r90 bottom
C368 "100nF" CAP_0402 10512.73,487.63 r90 top